# Altium PCB Adafruit PyGamer.PcbDoc (part 2 of 2)
Units mil, origin at the board's own origin, x right, y up, seen from the top; angles counter-clockwise.
Board outline 4000 x 2250 mil, 2 copper layers (Top, Bottom); 102 components, 96 nets, 478 pads, 207 vias.
Unrouted connection lines stored in the file: 1.
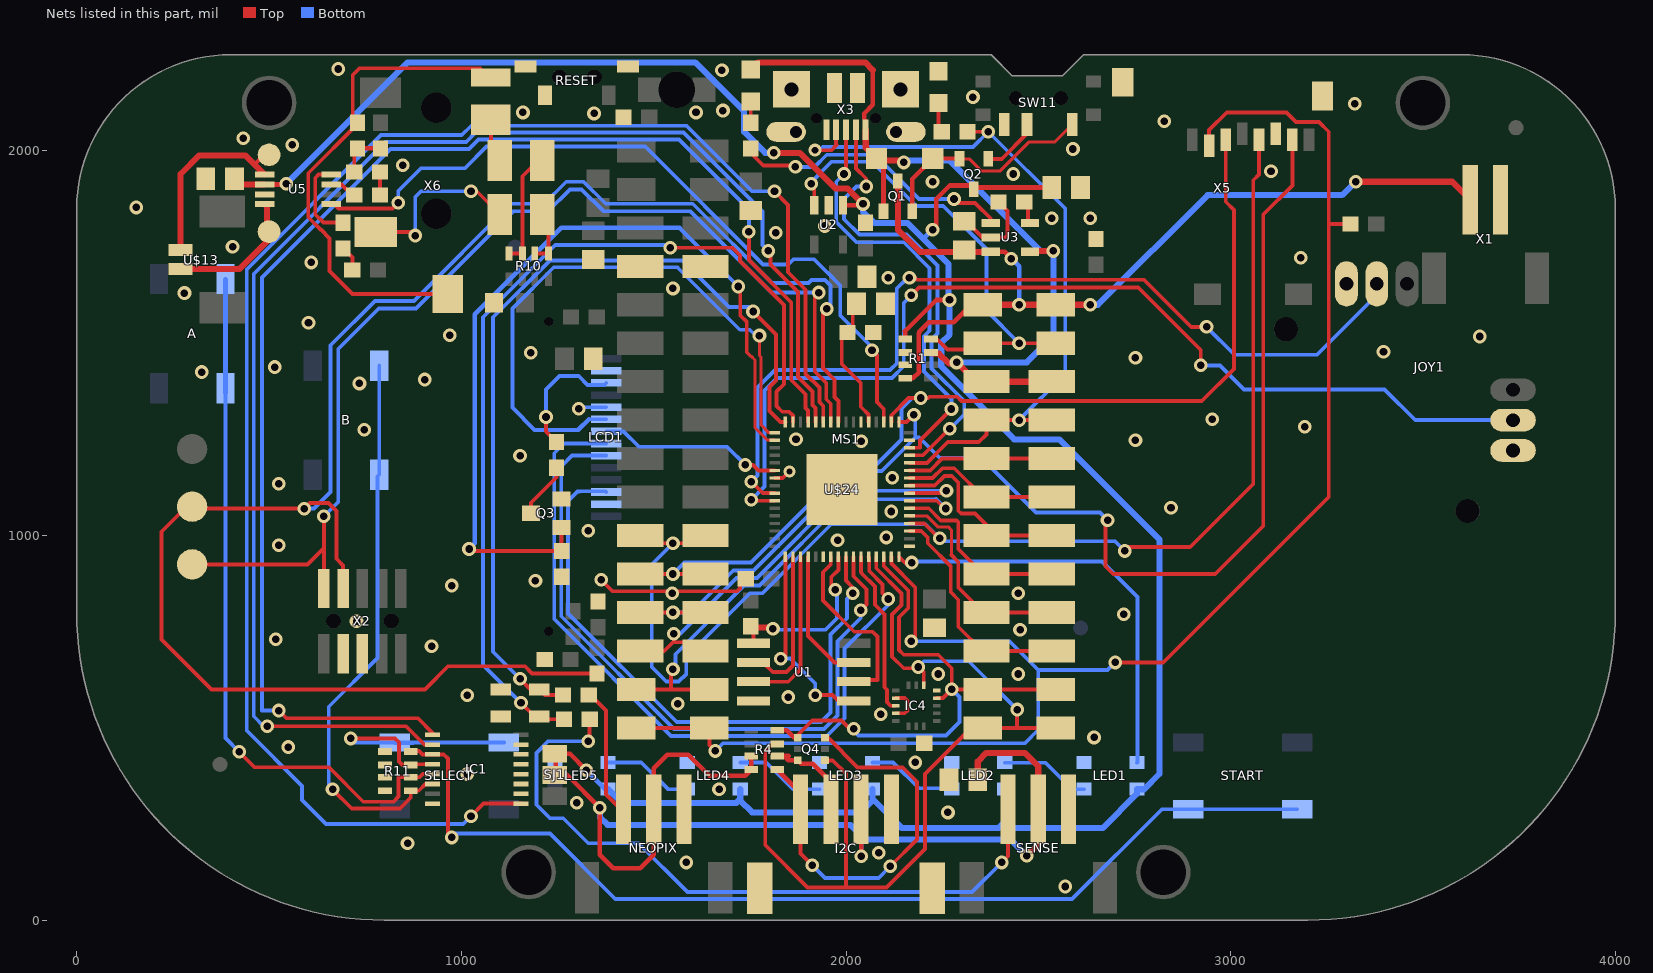
[diagram p2: the nets of this part, all layers, seen from the top]

## Via types
v1: diameter 35.69/35.69 (per signal layer), hole 19.69, Top to Bottom, 205 vias
v2: diameter 33.72/33.72 (per signal layer), hole 17.72, Top to Bottom, 1 vias
v3: diameter 31.5/31.5 (per signal layer), hole 15.5, Top to Bottom, 1 vias

## Nets (pads, with @x,y where several pads share a name; then routed paths per layer and width w, separated by ;. In a path a pad name is that pad's centre, name@x,y a point inside that pad or via, vN(x,y) a via of type N, cw(c..) or ccw(c..) an arc to the next point about the centre after c; other vN are vias at no path point) (continued)
BUTTON4: IC1.3 R11.4 START.A START.A' | length 2689.6
  Top w10: R11.4@868.46,438.68 869.78,440 890,440 899.11,430.89 IC1.3@925.13,430.89 954.11,430.89 965,420 965,225 v1(975,215)
  Bottom w10: v1(975,215) 975,225 1230,225 1400,55 2587.94,55 2821.33,288.39 START.A'@2889.52,288.39 START.A@3172.98,288.39
BUTTON5: IC1.4 R11.3 SELECT.A SELECT.A' | length 676.2
  Top w10: v1(712.5,472.5) 827.5,472.5 837.5,462.5 837.5,412.5 846.75,403.25 R11.3@868.46,403.25 870.51,405.3 IC1.4@925.13,405.3
  Bottom w10: v1(712.5,472.5) 723.39,461.61 SELECT.A@827.02,461.61 ; 875,461.61 875,460 876.61,461.61 SELECT.A'@1110.48,461.61
  Bottom w12: SELECT.A@827.02,461.61 875,461.61
BUTTON6: A.A A.A' IC1.5 R11.2 | length 2147.9
  Top w10: v1(422.5,437.5) 462.5,397.5 655.5,397.5 745,308 823.18,308 836.3,321.12 836.3,371.75 R11.2@868.46,371.75 891.75,371.75 899.7,379.7 IC1.5@925.13,379.7
  Bottom w10: A.A@386.61,1654.92 386.61,1380 386.61,1370 386.61,473.39 v1(422.5,437.5)
  Bottom w12: A.A'@386.61,1370 A.A'@386.61,1383.27 ; A.A'@386.61,1380 A.A@386.61,1666.73
BUTTON7: B.A B.A' IC1.6 R11.1 | length 1478.2
  Top w10: v1(665,340) 715,290 840,290 868.46,318.46 R11.1@868.46,336.32 889.04,336.32 906.83,354.11 IC1.6@925.13,354.11
  Bottom w10: v1(665,340) 655,350 655,555 781.61,681.61 781.61,1153.27 B.A'@786.61,1158.27 B.A@786.61,1441.73
BUTTON_CLK: IC1.2 U$24.60 | length 3809.9
  Top w10: v1(495,504.16) 855.84,504.16 903.52,456.48 IC1.2@925.13,456.48 ; v1(1797.5,1740) 1804,1733.5 1804,1704.43 1875.5,1632.93 1875.5,1411.97 1912.81,1374.65 1912.81,1339.44 1921.1,1331.16 U$24.60@1921.1,1295.2
  Bottom w10: v1(495,504.16) 485.84,504.16 460,530 460,1680 803,2023 1012.54,2023 1037.04,2047.5 1577.5,2047.5 1782.5,1842.5 1782.5,1755 v1(1797.5,1740)
BUTTON_LATCH: IC1.1 U$24.61 | length 3705.1
  Top w10: v1(525,545) 545,525 887.19,525 925.13,487.07 IC1.1@925.13,482.07 ; v1(1747.5,1790) 1747.5,1716.26 1857.5,1606.26 1857.5,1404.51 1894.81,1367.2 1894.81,1331.99 1901.42,1325.38 U$24.61@1901.42,1295.2
  Bottom w10: v1(525,545) 481.17,545 481.17,1670.71 815.46,2005 1020,2005 1044.5,2029.5 1565.5,2029.5 1747.5,1847.5 v1(1747.5,1790)
BUTTON_OUT: IC1.9 U$24.59 | length 4305.8
  Top w10: v1(1025,270) 1057.93,302.93 IC1.9@1154.87,302.93 ; v1(1814.16,1895) 1849.5,1859.66 1849.5,1684.38 1895,1638.88 1895,1420.42 1930.81,1384.61 1930.81,1346.9 1940.79,1336.93 U$24.59@1940.79,1295.2
  Bottom w10: v1(1025,270) 1005,250 648.13,250 586,312.13 586,349 442,493 442,1692 791,2041 1001,2041 1025.5,2065.5 1584.96,2065.5 1755.46,1895 v1(1814.16,1895)
CHG_LED: R2.2 U3.1 | length 744.1
  Top w10: R2.2@1752.5,2006.54 1752.5,1995 1785,1962.5 1864.64,1962.5 v1(1868.57,1958.57) ; v1(2280.74,1875) 2290.74,1865 2335.74,1865 2376.32,1824.43 U3.1@2376.31,1812.4
  Bottom w10: v1(1868.57,1958.57) 1918.57,1958.57 1950,1990 2075,1990 2190,1875 v1(2280.74,1875)
CHG_RATE: R8.1 U3.5 | length 61.4
  Top w10: R8.1@2463.46,1867.5 2473.46,1857.5 2473.46,1817.62 U3.5@2478.69,1812.4
D2_: NEOPIX.3 R5.1 | length 340.9
  Top w10: R5.1@1330.96,585 1335.96,585 1375.96,545 1375.96,326.59 1413.76,288.8 NEOPIX.3@1421.26,288.8
D2_A8: D1.C R5.2 U$24.64 | length 2234.8
  Top w10: v1(1152.5,627.5) 1180,600 D1.C@1202.5,600 1217.5,585 R5.2@1264.04,585 ; v1(1758.34,1582.46) 1818.34,1522.46 1818.34,1403.34 1801,1386 1801,1324.06 1829.86,1295.2 U$24.64@1842.36,1295.2
  Bottom w10: v1(1152.5,627.5) 1082,698 1082,1567.46 1230.04,1715.5 1574.5,1715.5 1695.44,1594.56 1746.24,1594.56 v1(1758.34,1582.46)
D3_: R6.1 SENSE.3 | length 1822.8
  Top w10: v1(1330,465) 1333.46,468.46 R6.1@1333.46,522.5 ; v1(2405,150) 2421.26,166.26 SENSE.3@2421.26,288.8
  Bottom w10: v1(1330,465) 1225,465 1195,435 1195,300 1230,265 1265,265 1330,200 1460.46,200 1587.46,73 2328,73 v1(2405,150)
D3_A9: D2.C R6.2 U$24.63 | length 2445.9
  Top w10: v1(1155,565) 1190,530 D2.C@1202.5,530 1210,522.5 R6.2@1266.54,522.5 ; v1(1543.27,1748.27) 1705.11,1748.27 1724.5,1728.88 1724.5,1713.8 1838.84,1599.46 1838.84,1393.39 1819.5,1374.04 1819.5,1336.84 1834.37,1321.98 1852.08,1321.98 1862.05,1312.01 U$24.63@1862.05,1295.2
  Bottom w10: v1(1155,565) 1056.5,663.5 1056.5,1567.41 1244.09,1755 1536.55,1755 v1(1543.27,1748.27)
D4_SDCS: MS1.16 MS1.16B R20.1 U$24.31 X5.2 | length 4224.3
  Top w10: MS1.16B@1455,500 MS1.16@1645,500 1645,455 v1(1660,440) ; U$24.31@2117.95,944.8 2117.95,927.05 2180,865 2180,735 v1(2170,725) ; v1(2700,670) 2825,670 3255,1100 3255,1810 ; X5.2@2943.98,2013.15 2943.98,2053.98 2990,2100 3145,2100 3170,2075 3230,2075 3255,2050 3255,1810 ; R20.1@3311.54,1810 3255,1810
  Bottom w10: v1(1660,440) 1680,460 2465,460 2500,495 2500,650 ; v1(2170,725) 2425,725 2500,650 ; v1(2700,670) 2680,650 2500,650
D5: MS1.19 MS1.19B U$24.35 | length 588.2
  Top w10: U$24.35@2165.2,1011.73 2195.61,1011.73 2212.5,994.84 2212.5,980 2272.53,919.97 2272.53,852.47 2292,833 2292,763 2355,700 MS1.19@2365,700 MS1.19B@2535,700
D6: MS1.20 MS1.20B U$24.37 | length 551
  Top w8: U$24.37@2165.2,1051.1 2209.9,1051.1 2238.56,1022.44 2265.99,1022.44 2274,1014.43 2274,949.66
  Top w10: 2274,949.66 2292,931.66 2292,864.62 2356.62,800 MS1.20@2365,800 MS1.20B@2535,800
D7_LISIRQ: IC4.11 U$24.27 | length 433
  Top w10: U$24.27@2039.21,944.8 2039.21,904.8 2040.9,903.12 2040.9,901.6 2075,867.5 2075,820 2100,795 2100,605.46 2106.51,598.95 2106.51,566.88 2115,558.39 2115,557.5 IC4.11@2129.35,557.5
D8_NEOPIX: LED1.1 U$24.32 | length 1101.3
  Top w10: U$24.32@2137.64,944.8 2157.91,924.53 2163.16,929.78 v1(2170.66,929.78)
  Bottom w10: v1(2170.66,929.78) 2173.16,932.28 2665.22,932.28 2757.5,840 2757.5,409.45 LED1.1@2756.4,409.45
D9: MS1.21 MS1.21B U$24.38 | length 481.8
  Top w10: U$24.38@2165.2,1070.79 2215.07,1070.79 2246.38,1039.47 2287.53,1039.47 2292,1035 2292,964.62 2356.62,900 MS1.21@2365,900 MS1.21B@2535,900
D10: MS1.22 MS1.22B U$24.41 | length 503.2
  Top w10: U$24.41@2165.2,1129.84 2230.75,1129.84 2255.91,1155 2275,1155 2292,1138 2292,1064.62 2299.62,1057 2335,1057 2365,1027 MS1.22@2365,1000 MS1.22B@2535,1000
D11: MS1.23 MS1.23B U$24.42 | length 411.4
  Top w10: U$24.42@2165.2,1149.53 2224.98,1149.53 2250.46,1175 2281.62,1175 2356.62,1100 MS1.23@2365,1100 MS1.23B@2535,1100
D12: MS1.24 MS1.24B U$24.43 | length 382.6
  Top w10: U$24.43@2165.2,1169.21 2175,1169.21 2219.21,1169.21 2250,1200 MS1.24@2365,1200 MS1.24B@2535,1200
D13_JACDAC: MS1.25 MS1.25B R7.1 U$24.44 X3.ID | length 1945
  Top w10: v2(1919.62,2001.85) 1961.85,2001.85 1975,2015 1974.41,2015.59 X3.ID@1974.41,2054.49 ; U$24.44@2165.2,1188.9 2210.51,1188.9 2264.61,1243 2345,1243 2365,1263 MS1.25@2365,1300 v1(2450,1300) MS1.25B@2535,1300 ; R7.1@2315.96,2050 v1(2370,2050)
  Bottom w10: v2(1919.62,2001.85) 1931.39,2001.85 1939.54,2010 2330,2010 v1(2370,2050) 2570,1850 2570,1420 v1(2450,1300)
D+: U$24.46 X3.D+ | length 1105.8
  Top w10: v1(1994.75,1940) 2000,1945.25 X3.D+@2000,2054.49 ; U$24.46@2165.2,1228.27 2192,1228.27 2192,1246.91 v1(2274.16,1329.06)
  Bottom w10: v1(1994.75,1940) 1974.75,1920 1974.75,1815.25 2027.5,1762.5 2150,1762.5 2217.5,1695 2217.5,1532.5 2202.46,1517.46 2202.46,1426.62 2274.16,1354.93 v1(2274.16,1329.06)
D-: U$24.45 X3.D- | length 1189.1
  Top w10: X3.D-@2025.59,2054.49 2025.59,1954.41 2052.5,1927.5 v1(2052.5,1907.5) ; U$24.45@2165.2,1208.58 2200.2,1208.58 2269.11,1277.5 v1(2270,1277.5)
  Bottom w10: v1(2052.5,1907.5) 2027.5,1907.5 1995,1875 1995,1822.5 2035,1782.5 2157.5,1782.5 2222.5,1717.5 2237.5,1702.5 2237.5,1525 2222.5,1510 2222.5,1434.54 2307.5,1349.54 2307.5,1315 v1(2270,1277.5)
EN: MS1.27 MS1.27B R1.4 U2.3 | length 1257.2
  Top w10: v1(1910,1915) 1917.6,1907.4 U2.3@1917.6,1858.69 ; R1.4@2220.96,1511.18 2235.96,1511.18 2263.46,1483.68 2338.68,1483.68 MS1.27@2355,1500 v1(2450,1500) MS1.27B@2545,1500
  Bottom w10: v1(1910,1915) 1910,1919.54 1962.46,1972 2067.54,1972 2182.54,1857 2253,1857 2365,1745 2365,1585 v1(2450,1500)
GND: C1.2 C2.2 C3.2 C4.2 C5.2 C6.2 C7.2 C8.2 C10.2 C11.2 C12.2 C13.2 C14.2 C15.2 C17.1 C18.2 C19.2 D1.A D2.A FB2.2 I2C.1 I2C.NC1 I2C.NC2 IC1.8 IC1.10 IC1.11 IC1.12 IC1.13 IC1.14 IC1.15 IC4.5 IC4.10 IC4.12 JOY1.X- JOY1.Y- L.C LCD1.2 LCD1.5 LCD1.13 LED1.4 LED2.4 LED3.4 LED4.4 LED5.4 MS1.4 MS1.4B NEOPIX.1 Q3.2 R1.6 R1.7 R3.1 R8.2 R11.5 R11.6 R11.7 R11.8 R17.2 RESET.2 RESET.MT1 RESET.MT2 SENSE.1 SW11.C U1.4 U2.2 U3.2 U5.7 U$24.7 U$24.22 U$24.33 U$24.47 U$24.54 U$24.EXP X1.1 X2.3 X2.5 X3.BASE@1 X3.BASE@2 X3.GND X3.SPRT@1 X3.SPRT@2 X3.SPRT@3 X3.SPRT@4 X5.6 X5.MT1 X5.MT2 | length 855.3
  Top w10: v1(1363.34,885) 1393.34,855 1716.54,855 1724.04,862.5 1724.04,872.5 C12.2@1739.04,887.5 ; U$24.7@1814.8,1149.53 1835.53,1149.53 v3(1853,1167) ; IC4.12@2129.35,537.81 2152.82,537.82 2160,545 2160,570 2152.82,577.18 IC4.10@2129.35,577.19 ; C3.2@2307.5,1817.4 2312.6,1817.4 2355,1775 U3.2@2376.31,1775 2415,1775 2420,1780 2420,1844.04 R8.2@2396.54,1867.5
  Bottom w10: v1(1305,1330) 1301.26,1333.74 LCD1.5@1376.75,1333.74
  other v1: 2570,87.5 1585,150 2085,175 860,200 2265,280 1300,305 1670,340 1015,380 2180,410 550,450 2645,475 2090,535 1562.5,562.5 1850,580 1015,585 2240,640 2447.5,640 922.5,712.5 517.5,730 2452.5,755 727.5,777.5 2722.5,795 1548.34,850 2447.5,850 975,870 1192.5,882.5 525,975 1978,988 2105,995 1330,1012.5 2117.5,1062.5 2845,1072.5 525,1135 2120,1150 1152.5,1207.5 2040,1245 2752.5,1247.5 1870,1250 747.5,1275 3192.5,1282.5 2952.5,1302.5 735,1395.5 905,1405.5 325,1425 515,1438 2752.5,1462.5 1180,1475.5 3397.5,1477.5 3647.5,1517.5 970,1520.5 602.5,1553 280,1630.5 1550,1642.5 2110,1670 610,1710 3182.5,1722.5 405,1750.5 1817.5,1787.5 1945,1805 2535,1825 2635,1825 155,1853 2225,1920 2435,1940 3105,1947.5 847.5,1962.5 2590,2005 560,2015.5 432.5,2033 2827.5,2077.5 1345,2097.5 1160,2100 1610,2100 1680,2105 3322.5,2122.5 2330,2140 1677.5,2210 680,2213
JOYX: JOY1.X U$24.10 | length 2680.8
  Top w10: v1@1756.37,1090.47 U$24.10@1814.8,1090.47 ; v1(2170,1625) 2190,1645 2760,1645 2922.5,1482.5 v1(2922.5,1442.5)
  Top w12: v1(1753.84,1093) v1@1756.37,1090.47
  Bottom w10: v1(1753.84,1093) 1788,1127.16 1788,1377.54 1820.46,1410 2120,1410 2150,1440 2150,1605 v1(2170,1625) ; v1(2922.5,1442.5) 2972.5,1442.5 3035,1380 3400,1380 3480,1300 JOY1.X@3734.33,1300
JOYY: JOY1.Y U$24.9 | length 2343.8
  Top w10: v1(1753.84,1139.86) 1783.54,1110.16 U$24.9@1814.8,1110.16 ; v1(2165,1670) 2180,1670 2185,1665 2775,1665 2897.5,1542.5 v1(2937.5,1542.5)
  Bottom w10: v1(1753.84,1139.86) 1770,1156.01 1770,1385 1815,1430 2114.54,1430 2132,1447.46 2132,1642.46 2159.54,1670 v1(2165,1670) ; v1(2937.5,1542.5) 3010,1470 3225,1470 3380,1625 JOY1.Y@3380,1654.33
LEDK: LCD1.3 R16.1 | length 330.9
  Top w10: v1(1220,1308.16) 1220,1270.96 R16.1@1247.5,1243.46
  Bottom w10: v1(1220,1308.16) 1220,1380 1255,1415 1305,1415 1328.27,1391.73 1371.75,1391.73 LCD1.3@1376.75,1396.73
MISO: MS1.13 MS1.13B U$24.49 X5.7 | length 3312.4
  Top w10: MS1.13B@1465,800 v1(1550,800) MS1.13@1635,800 ; U$24.49@2137.64,1295.2 2157.66,1295.2 v1(2176.7,1314.23) ; v1(2680,1040) 2675,1035 2675,920 2695,900 2960,900 3085,1025 3085,1835 3160.51,1910.51 X5.7@3160.51,2028.9
  Bottom w10: v1(1550,800) 1597.5,800 1706.71,909.21 1759.79,909.21 2018.59,1168 2093,1168 2180,1255 ; v1(2176.7,1314.23) 2180,1310.93 2180,1255 ; v1(2680,1040) 2660,1060 2493.88,1060 2352.38,1201.5 2243.8,1201.5 2190.3,1255 2180,1255
MOSI: MS1.12 MS1.12B U$24.50 X5.3 | length 2622.3
  Top w10: MS1.12B@1465,900 v1(1550,900) MS1.12@1635,900 ; U$24.50@2117.95,1295.2 2117.95,1312.69 2162.78,1357.52 v1(2194.3,1357.52) 2213.9,1357.52 2217.22,1360.84 2289.16,1360.84 2300,1350 2925,1350 3008.43,1433.43 3008.43,1846.57 2987.28,1867.72 X5.3@2987.28,2028.9
  Bottom w10: v1(1550,900) 1580,930 1753.13,930 2009.13,1186 2081,1186 2144.5,1249.5 2144.5,1330.22 2171.8,1357.52 v1(2194.3,1357.52)
N$1: CHG.C R2.1 | length 55.2
  Top w10: R2.1@1752.5,2073.46 1752.5,2110 CHG.C@1752.5,2128.66
N$2: L.A R7.2 | length 77.9
  Top w10: L.A@2240.93,2124.53 2240.93,2110 2240.93,2058.11 R7.2@2249.04,2050
N$3: LED1.3 LED2.1 | length 234.5
  Bottom w10: LED2.1@2412.65,409.45 2518.05,409.45 2586.95,340.55 LED1.3@2618.6,340.55
N$4: LED2.3 LED3.1 | length 234.9
  Bottom w10: LED3.1@2068.9,409.45 2069.45,410 2122.5,410 2189.45,343.05 2272.35,343.05 LED2.3@2274.85,340.55
N$5: LED3.3 LED4.1 | length 234.9
  Bottom w10: LED4.1@1725.15,409.45 1725.7,410 1792.5,410 1861.95,340.55 LED3.3@1931.1,340.55
N$6: Q3.3 R16.2 | length 146
  Top w10: Q3.3@1181.13,1058 1181.13,1085.17 1247.5,1151.54 R16.2@1247.5,1176.54
N$7: LED4.3 LED5.1 | length 234.9
  Bottom w10: LED5.1@1381.4,409.45 1381.95,410 1467.5,410 1536.95,340.55 LED4.3@1587.35,340.55
N$8: D4.C Q1.2 Q2.2 SW11.A | length 586.3
  Top w8: Q2.2@2295.1,1979.37 2320.63,1979.37 2345.4,1954.6 2345.4,1954.4 2352.43,1947.37 2399.84,1947.37 2476.07,2023.6 2543.58,2023.6 SW11.A@2588.58,2068.6
  Top w10: D4.C@2225.33,1980 2295.1,1980 Q2.2@2295.1,1979.37
  Top w12: Q1.2@2172.4,1843.13 2172.4,1927.07 D4.C@2225.33,1980
N$9: R9.2 U5.4 | length 221.5
  Top w10: U5.4@661.61,1938.39 628.39,1938.39 620,1930 620,1835 641.54,1813.46 R9.2@692.5,1813.46
N$10: R12.2 U5.3 | length 71.4
  Top w10: U5.3@661.61,1912.8 688.74,1912.8 716.54,1885 R12.2@721.54,1885
N$11:  | length 50
  Top w12: 1245,380 1245,430
N$12: C23.2 X6.3 | length 115.3
  Top w10: X6.3@1076.73,2080.71 1076.73,1998.15 C23.2@1099.88,1975
N$13: C9.2 R13.2 R18.1 | length 125
  Top w10: C9.2@721.54,1945 721.54,1998.07 R18.1@730,2006.54
  Top w12: R18.1@730,2006.54 R13.2@790,2006.54
N$14: C22.2 X6.2 | length 457.3
  Top w10: X6.2@777.52,1789.37 870.63,1789.37 v1(880,1780) ; v1(1025,1895) 1039.88,1895 C22.2@1099.88,1835
  Bottom w10: v1(880,1780) 880,1880 895,1895 v1(1025,1895)
N$15: C23.1 R10.3 R10.4 | length 304
  Top w10: R10.4@1123.82,1733.46 R10.3@1159.25,1733.46 1159.25,1934.25 1200,1975 C23.1@1210.12,1975
N$16: C20.1 R9.1 | length 66.5
  Top w10: R9.1@692.5,1746.54 716.54,1722.5 C20.1@716.54,1690
N$17: C9.1 R12.1 | length 60
  Top w10: R12.1@788.46,1885 C9.1@788.46,1945
N$70: C22.1 R10.1 R10.2 | length 143.6
  Top w10: R10.2@1190.75,1733.46 R10.1@1226.18,1733.46 1226.18,1818.94 C22.1@1210.12,1835
ON/OFF: Q2.1 SW11.B | length 151.4
  Top w10: Q2.1@2369.9,1979.37 2404.9,1979.37 2470.47,2044.94 SW11.B@2470.47,2068.6
PB03/I3/AIN11/SERCOM5.1: 
PB22/I6/SERCOM5.2: 
PB23/I7/SERCOM5.3: 
QSPI_CS: R19.2 U1.1 U$24.24 | length 502.1
  Top w10: R19.2@1752.5,764.04 1803.46,764.04 v1(1810,757.5) 1759.49,757.5 U1.1@1759.49,720 ; v1(1971.81,859.31) 1961.81,869.31 1961.81,891.81 1980.16,910.16 U$24.24@1980.16,944.8
  Bottom w10: v1(1810,757.5) 1815,757.5 1817.5,755 1946.81,755 1976.81,785 1976.81,854.31 v1(1971.81,859.31)
QSPI_DATA[0]: U1.5 U$24.17 | length 526.5
  Top w10: v1(1830,680) 1835,680 1842.36,687.36 U$24.17@1842.36,944.8 ; v1(1920,585) 1965,585 1980,570 U1.5@2020.51,570
  Bottom w10: v1(1830,680) 1855,680 1920,615 v1(1920,585)
QSPI_DATA[1]: U1.2 U$24.18 | length 402.7
  Top w10: U1.2@1759.49,670 1784.49,670 1809.49,645 1845,645 1862.05,662.05 U$24.18@1862.05,944.8
QSPI_DATA[2]: U1.3 U$24.19 | length 428.6
  Top w10: U1.3@1759.49,620 1850,620 1880.05,650.05 ; 1880.05,650 1881.73,651.68 U$24.19@1881.73,944.8
QSPI_DATA[3]: U1.7 U$24.20 | length 353.7
  Top w10: U$24.20@1901.42,944.8 1901.42,738.58 1970,670 U1.7@2020.51,670
QSPI_SCK: U1.6 U$24.23 | length 478.5
  Top w10: U$24.23@1960.47,944.8 1960.47,924.8 1940.1,904.43 1940.1,831.02 2021.31,749.81 2069.2,749.81 2081.82,737.2 2081.82,624.81 2025.32,624.81 U1.6@2020.51,620
RX: MS1.14 MS1.14B U$24.40 | length 1173.3
  Top w10: MS1.14B@1465,700 1527.5,700 1550,722.5 ; v1(1552.5,745) 1552.5,725 1550,722.5 ; MS1.14@1635,700 1612.5,722.5 1550,722.5 ; U$24.40@2165.2,1110.16 2254.82,1110.16 v1(2261.16,1116.5)
  Bottom w10: v1(1552.5,745) 1570,745 1715,890 1768.5,890 1995,1116.5 v1(2261.16,1116.5)
SCK: MS1.11 MS1.11B U$24.36 X5.5 | length 3403.1
  Top w10: MS1.11B@1465,1000 1485,980 v1(1550,980) 1615,980 MS1.11@1635,1000 ; U$24.36@2165.2,1031.42 2203.53,1031.42 2242.34,992.6 v1(2243.63,992.6) ; v1(2725,960) 2735,970 2895,970 3058.9,1133.9 3058.9,1923.9 3073.9,1938.9 X5.5@3073.9,2028.9
  Bottom w10: v1(1550,980) 1495,925 1495,657.8 1532.65,620.15 1564.85,620.15 1584.84,640.14 1584.84,684.84 1750,850 1782.5,850 1961.73,1029.23 2207,1029.23 v1(2243.63,992.6) 2250.94,985.28 2699.72,985.28 v1(2725,960)
SCL: I2C.4 Q4.3 R4.5 | length 1051.1
  Top w10: I2C.4@1881.89,288.17 1881.89,173.11 v1(1912.5,142.5) ; Q4.3@1945.43,474.53 1952.78,474.53 2029.99,397.32 2147.69,397.32 2185,360 2185,210 v1(2115,140)
  Top w12: R4.5@1820.96,391.32 1881.89,330.39 I2C.4@1881.89,288.17
  Bottom w10: v1(1912.5,142.5) 1945,110 2085,110 v1(2115,140)
SCL_3V: IC4.4 MS1.18 MS1.18B Q4.4 R4.8 U$24.30 | length 1440.7
  Top w10: Q4.4@1874.57,474.53 1874.57,481.44 1912.13,519 1988.35,519 2010,497.35 v1(2020,497.35) ; U$24.30@2098.27,944.8 2098.27,920.6 2162,856.87 2162,811.54 2138,787.54 2138,702 2150,690 2240,690 2275,655 v1(2275,600) ; IC4.4@2235.65,577.19 2252.19,577.18 v1(2275,600) ; MS1.18B@2545,600 MS1.18@2355,600 v1(2275,600)
  Top w12: R4.8@1820.96,493.68 1845.96,493.68 1865.12,474.53 Q4.4@1874.57,474.53
  Bottom w10: v1(2020,497.35) 2020,492.35 2032.35,480 2260,480 2295,515 2295,580 v1(2275,600)
SDA: I2C.3 Q4.6 R4.6 | length 251.3
  Top w12: R4.6@1820.96,426.75 1850.85,426.75 1844.57,420.47 1849.57,415.47 Q4.6@1874.57,415.47 1883.29,406.75 1913.25,406.75 1960.63,359.37 I2C.3@1960.63,288.17
SDA_3V: IC4.6 MS1.17 MS1.17B Q4.1 R4.7 U$24.29 | length 2533.3
  Top w10: R4.7@1820.96,458.25 1807.5,458.25 1790.25,441 1790.25,440.25 1790,440 1790,195 1900,85 2000,85 ; Q4.1@1945.43,415.47 1965.43,415.47 2000,380.91 2000,85 ; U$24.29@2078.58,944.8 2078.58,914.83 2144,849.41 2144,819 2120,795 2120,685 2150,655 v1@2192.19,655 ; v1(2188.19,658.19) 2188.99,658.19 v1@2192.19,655 ; IC4.6@2202.19,610.65 2202.19,645 v1@2192.19,655 ; v1(2445,547.5) 2445,500 ; MS1.17B@2545,500 2445,500 ; 2000,85 2105,85 2205,185 2205,380 2325,500 MS1.17@2355,500 2445,500
  Bottom w10: v1(2188.19,658.19) 2203.19,673.19 2319.31,673.19 v1(2445,547.5)
SPEAKER_IN: R18.2 X6.4 X6.5 | length 1299.6
  Top w10: X6.4@964.53,1627.95 717.05,1627.95 657.5,1687.5 657.5,1772.5 634.54,1795.46 634.08,1795.46 602,1827.54 602,1942 730,2070 R18.2@730,2073.46 717.5,2085.96 717.5,2197.5 735,2215 1048.74,2215 1072.8,2190.94 X6.5@1076.73,2190.94
SPKR+: TP1.P$1 U5.5 U$13.2 | length 505.4
  Top w10: 462.14,1964.64 487.5,1990 TP1.P$1@500,1990
  Top w16: U$13.2@270,1742.11 270,1940 318.39,1988.39 438.39,1988.39 462.14,1964.64 U5.5@488.39,1938.39
SPKR-: TP2.P$1 U5.8 U$13.1 | length 359.2
  Top w10: TP2.P$1@495,1790 TP2.P$1@500,1790
  Top w16: U$13.1@270,1692.89 422.89,1692.89 495,1765 495,1790 495,1855 U5.8@488.39,1861.61
SPKR_EN: U5.1 U$24.51 | length 1975.8
  Top w10: U5.1@661.61,1861.61 668.39,1861.61 680,1850 820.69,1850 v1(835.69,1865) ; v1(2067.65,1481.93) 2080.15,1469.43 2080.15,1346.93 2098.27,1328.82 U$24.51@2098.27,1295.2
  Bottom w10: v1(835.69,1865) 835.69,1895.69 895,1955 1009.07,1955 1065.57,2011.5 1478.11,2011.5 1784.61,1705 1850,1705 1863.34,1718.34 1916.66,1718.34 1952.56,1682.44 1953.01,1682.44 1985.15,1650.3 1985.15,1571.93 2067.65,1489.43 v1(2067.65,1481.93)
SWCLK: R15.2 TP6.P$1 U$24.57 X2.4 | length 4648.5
  Top w10: X2.4@692.5,862.15 692.5,922.15 675,939.65 675,1064.16 654.16,1085 606.66,1085 v1(591.66,1070) 305,1070 TP6.P$1@300,1075 285,1075 220,1010 220,730 350,600 905,600 965,660 1165,660 1183.46,641.54 R15.2@1352.5,641.54 ; v1(1950,1589.16) 1940,1579.16 1940,1435.35 1970.16,1405.2 1970.16,1360.2 1980.16,1350.2 U$24.57@1980.16,1295.2
  Bottom w10: v1(591.66,1070) 616.66,1070 660,1113.34 660,1494.67 775.17,1609.83 876.7,1609.83 1129.37,1862.5 1215,1862.5 1272.5,1920 1317.96,1920 1375.23,1862.73 1601.43,1862.73 1807.5,1656.66 1902.78,1656.66 1910.56,1664.44 1945.56,1664.44 1959.66,1650.34 1959.66,1598.82 v1(1950,1589.16)
SWDIO: TP7.P$1 U$24.58 X2.2 | length 2888.2
  Top w10: TP7.P$1@300,925 600,925 642.5,967.5 ; X2.2@642.5,862.15 642.5,967.5 ; v1(642.5,1050) 642.5,967.5 ; v1(1928.81,1631.72) 1918.81,1621.72 1918.81,1426.72 1948.81,1396.72 1948.81,1354.35 1960.47,1342.7 U$24.58@1960.47,1295.2
  Bottom w10: v1(642.5,1050) 680,1087.5 680,1485 785,1590 882.33,1590 1135.67,1843.34 1225.84,1843.34 1282.5,1900 1312.5,1900 1369.16,1843.34 1594.7,1843.34 1806.32,1631.72 v1(1928.81,1631.72)
TFT_CS: LCD1.12 U$24.25 | length 1648.6
  Top w10: U$24.25@1999.84,944.8 1999.84,882.66 2017.5,865 v1(2017.5,850)
  Bottom w10: LCD1.12@1376.75,1113.27 1375.02,1115 1307.78,1115 1306.93,1114.16 1301.66,1114.16 1277.5,1090 1277.5,797.5 1560,515 1935,515 1960,540 1960,742.5 2002.5,785 2002.5,835 v1(2017.5,850)
TFT_DC: LCD1.7 U$24.6 | length 480.1
  Top w10: v1(1738.34,1183.54) 1757.92,1183.54 1768.89,1172.57 1768.95,1172.57 1772.3,1169.21 U$24.6@1814.8,1169.21
  Bottom w10: LCD1.7@1376.75,1270.75 1421.75,1270.75 1461.56,1230.94 1690.94,1230.94 v1(1738.34,1183.54)
TFT_LITE: Q3.1 R17.1 U$24.2 | length 2212.4
  Top w8: 1741.06,1556.06 1742,1555.11 1742,1476.54 1752.13,1466.41 1753.54,1466.41 1763.5,1456.45 1763.5,1280.54 1796.09,1247.95 U$24.2@1814.8,1247.95
  Top w10: v1(1020,965) 1025.04,959.96 R17.1@1261,959.96 1259.87,961.09 Q3.1@1259.87,1020.6 ; v1(1720,1647.5) 1725,1642.5 1725,1572.11 1741.06,1556.06
  Bottom w10: 1567.5,1800 v1(1720,1647.5)
  Bottom w12: v1(1020,965) 1035,980 1035,1575 1260,1800 1567.5,1800
TFT_MOSI: LCD1.8 U$24.28 | length 1964.6
  Top w10: U$24.28@2058.9,944.8 2060.58,943.12 2060.58,907.37 2095.06,872.9 2095.06,850 v1(2110.06,835)
  Bottom w10: LCD1.8@1376.75,1239.25 1266.75,1239.25 1241.5,1214 1241.5,782.59 1545.09,479 1949.91,479 1996,525.09 1996,706 2110.06,820.06 v1(2110.06,835)
TFT_RST: LCD1.6 U$24.1 | length 1575.7
  Top w8: v1(1775,1520) 1775,1467.58 1779.5,1463.08 1779.5,1287.17 1799.03,1267.64 U$24.1@1814.8,1267.64
  Bottom w8: 1561.66,1697.5 1724.16,1535 1750,1535 1765,1520 v1(1775,1520)
  Bottom w10: 1304.25,1274.74 1190.26,1274.74 1132.5,1332.5 1132.5,1590 1240,1697.5 1561.66,1697.5 ; 1331.75,1302.24 LCD1.6@1376.75,1302.24
  Bottom w12: 1304.25,1274.74 1331.75,1302.24
TFT_SCK: LCD1.9 U$24.26 | length 1830.4
  Top w10: U$24.26@2019.53,944.8 2019.53,894.09 2053.19,860.43 2053.19,820.43 v1(2038.19,805.43)
  Bottom w10: LCD1.9@1376.75,1207.76 1287.76,1207.76 1259.5,1179.5 1259.5,790.04 1552.54,497 1942.46,497 1978,532.54 1978,725.25 2038.19,785.43 v1(2038.19,805.43)
TX: MS1.15 MS1.15B U$24.39 | length 1272.7
  Top w10: MS1.15B@1455,600 1545,600 ; v1(1550,652.5) 1545,647.5 1545,600 ; MS1.15@1645,600 1545,600 ; U$24.39@2165.2,1090.47 2236.07,1090.47 2256.22,1070.31 v1(2259.16,1070.31)
  Bottom w10: v1(1550,652.5) 1556.5,652.5 1556.5,691.5 1735,870 1775,870 1999.31,1094.31 2233.16,1094.31 2234.16,1095.31 v1(2259.16,1070.31)
V+: C6.1 C15.1 LED1.2 LED2.2 LED3.2 LED4.2 LED5.2 Q2.3 R1.5 SJ1.1 U2.1 U5.6 | length 6608.6
  Top w12: U5.6@488.39,1912.8 542.8,1912.8 v1(545,1915) ; SJ1.1@1242.5,432.5 1282.5,432.5 v1(1325,390) ; U2.1@1992.4,1858.69 2040.65,1858.68 v1(2044.19,1862.22) ; R1.5@2154.04,1511.18 2154.04,1530.93 2153.31,1531.66 2234.16,1612.5 v1(2269.16,1612.5) ; v1(2225,1795) 2235,1805 2235,1875 2270,1910 2323.13,1910 Q2.3@2332.5,1900.63 2336.87,1905 C6.1@2535.1,1905
  Top w16: C15.1@409.9,1927.5 424.61,1912.8 U5.6@488.39,1912.8 ; v1(1812.5,1995) 1880,1995 1972.78,1902.22 2004.18,1902.22 v1(2044.19,1862.22)
  Bottom w12: v1(1325,390) 1374.45,340.55 LED5.2@1381.4,340.55 ; 2201.25,1771.25 v1(2225,1795)
  Bottom w16: v1(545,1915) 860,2230 1607.69,2230 1735,2102.69 1735,2050 1790,1995 v1(1812.5,1995) ; LED5.2@1381.4,340.55 1416.95,305 1714.6,305 1725.15,315.55 LED4.2@1725.15,340.55 1725.15,310.55 1755.7,280 2038.35,280 2068.9,310.55 LED3.2@2068.9,340.55 2068.9,315.55 2144.45,240 2397.1,240 2412.65,255.55 LED2.2@2412.65,340.55 2412.65,240 2668.35,240 2756.4,328.05 LED1.2@2756.4,340.55 2775.55,340.55 2815,380 2815,990 2555,1250 2437.5,1250 2247.5,1440 2247.5,1500.84 2269.16,1522.5 v1(2269.16,1612.5) 2266.66,1615 2266.66,1705.84 2201.25,1771.25 2160.28,1812.22 2074.19,1812.22 2044.19,1842.22 v1(2044.19,1862.22)
VBAT: C3.1 MS1.28 MS1.28B Q1.3 R1.8 U3.3 X1.2 | length 2364.6
  Top w12: R1.8@2154.04,1408.82 2173.82,1408.82 2190,1425 2190,1428.84 2189.25,1429.59 2189.25,1525.84 2190,1526.59 2190,1530 2215,1555 2280,1555 2325,1600 MS1.28@2370,1600 ; C3.1@2307.5,1742.6 2307.5,1740.1 C3.1@2310,1737.6 ; U3.3@2376.31,1737.6 2412.4,1737.6 v1(2430,1720)
  Top w16: Q1.3@2135,1921.87 2135,1795 2192.4,1737.6 2310,1737.6 U3.3@2376.31,1737.6 ; MS1.28@2355,1600 2370,1600 v1(2450,1600) MS1.28B@2545,1600 v1(2635,1600) ; v1(3325,1920) 3576.3,1920 X1.2@3623.13,1873.17
  Bottom w12: v1(2430,1720) 2450,1700 v1(2450,1600)
  Bottom w16: v1(2635,1600) 2655,1600 2940,1885 3290,1885 v1(3325,1920)
VBUS: CHG.A D4.A MS1.26 MS1.26B Q1.1 R1.3 U3.4 X3.VBUS | length 2225
  Top w8: 2046.99,2097.34 2046.99,2083.68 2048.99,2081.68 X3.VBUS@2048.99,2075
  Top w10: 2046.99,2083.68 2051.18,2079.49 X3.VBUS@2051.18,2054.49
  Top w12: 2046.99,2087.33 2046.99,2097.34 2070,2120.34 2070,2210 ; D4.A@2079.67,1980 2097.6,1962.07 Q1.1@2097.6,1843.13
  Top w16: CHG.A@1752.5,2211.34 1771.16,2230 2050,2230 2070,2210 ; X3.VBUS@2051.18,2054.49 2051.18,2008.48 D4.A@2079.67,1980 2084.67,1975 2145,1975 v1(2150,1970) ; R1.3@2220.96,1475.75 2223.46,1473.25 2241.75,1473.25 2267.5,1447.5 2287.5,1447.5 v1(2287.5,1450) 2337.5,1400 MS1.26@2365,1400 MS1.26B@2535,1400 ; U3.4@2478.69,1737.6 2481.09,1740 v1(2539.16,1740)
  Bottom w16: v1(2150,1970) 2155,1975 2270,1975 2505,1740 v1(2539.16,1740) 2539.16,1519.16 2470,1450 v1(2287.5,1450)
VCC: C10.1 I2C.2 NEOPIX.2 R4.3 R4.4 SENSE.2 SJ1.2 | length 2828.6
  Top w12: SJ1.2@1242.5,377.5 1275,377.5 v1(1360,292.5) 1360,170 1395,135 1465,135 1500,170 NEOPIX.2@1500,288.8 1500,395 1535,430 1590,430 1645,375 1737.72,375 R4.4@1754.04,391.32 R4.3@1754.04,426.75 ; I2C.2@2039.37,288.17 2039.37,166.47 v1(2040,165.84)
  Top w16: C10.1@2342.4,365 2342.4,412.4 2365,435 2465,435 2500,400 SENSE.2@2500,288.8 2500,197.5 v1(2470,167.5)
  Bottom w12: v1(2040,165.84) 2040,214.5
  Bottom w16: v1(1360,292.5) 1360,267.5 1380,247.5 2011.4,247.5 2044.4,214.5 ; 2040,214.5 2044.4,214.5 ; v1(2470,167.5) 2428,209.5 2049.4,209.5 2044.4,214.5
VDDCORE2: C18.1 C19.1 U$24.53 | length 352.2
  Top w10: C18.1@2027.6,1602.5 2017.6,1592.5 2017.6,1541.06 C19.1@2004.04,1527.5 1989.04,1512.5 1989.04,1445.96 2038.46,1396.54 2038.46,1335 2058.9,1314.57 U$24.53@2058.9,1295.2
pads on no net: IC1.7 IC4.2 IC4.3 IC4.9 LCD1.1 LCD1.14 LED5.3 NEOPIX.NC1 NEOPIX.NC2 SENSE.NC1 SENSE.NC2 SW11.SUP1 SW11.SUP2 SW11.SUP3 SW11.SUP4 U2.4 U5.2 U$5.P$1 U$6.P$1 U$13.M1 U$13.M2 U$17.P$1 U$18.P$1 U$24.16 U$24.55 U$34.1 U$35.1 U$43.1 U$46.1 X1.NC1 X1.NC2 X2.6 X2.7 X2.8 X2.9 X5.1 X5.8 X5.CD1 X5.CD2

## Polygon pours and split planes (outlines as drawn)
GND on Bottom "Polygon_1_Net_GND" (solid, remove dead copper, pour order 1): -5,2255 4005,2255 4005,-5 -5,-5
GND on Top "Polygon_2_Net_GND" (solid, remove dead copper, pour order 0): -5,2255 4005,2255 4005,-5 -5,-5

## Keep-outs
Keep-Out Layer:
  the board outline again, w0

## Silkscreen, mask and mechanical layers (free items; w line width, h text height)
Dimension:
  the board outline again, w0

## Dimensions
3500,2125 to 2825,125 on tFinish
1175,125 to 0,850 on tFinish
500,2125 to 2.5,1870 on tFinish
2690,1395 to 4000,1685 on tFinish
0,1825 to 1310,1295 on tFinish
1010,2250 to 1070,0 on tFinish
0,1225 to 4000,1125 on tFinish

## Text inside footprints (layer, text, board x,y; h text height)
CHG: tDocu "C" at 1756.44,2122.76 h15.5 r180; tDocu "A" at 1756.44,2225.12 h15.5 r180
L: tDocu "C" at 2236.99,2213.11 h15.5; tDocu "A" at 2236.99,2110.75 h15.5
SJ1: tDocu "3" at 1217.5,277.5 h77.5 r270; tDocu "1" at 1217.5,507.5 h77.5 r270
U4: tDocu "C" at 1614.82,2143.44 h62; tDocu "E" at 1469.15,2139.5 h62
U$13: tDocu "1" at 354.15,1608.98 h49.6 r270
U$37: tPlace ">REV" at 3481,1965 h62
X3: tDocu "PCB EDGE" at 2000,2242.48 h24.8 r180